# Altium PCB DMB.PcbDoc (continued)
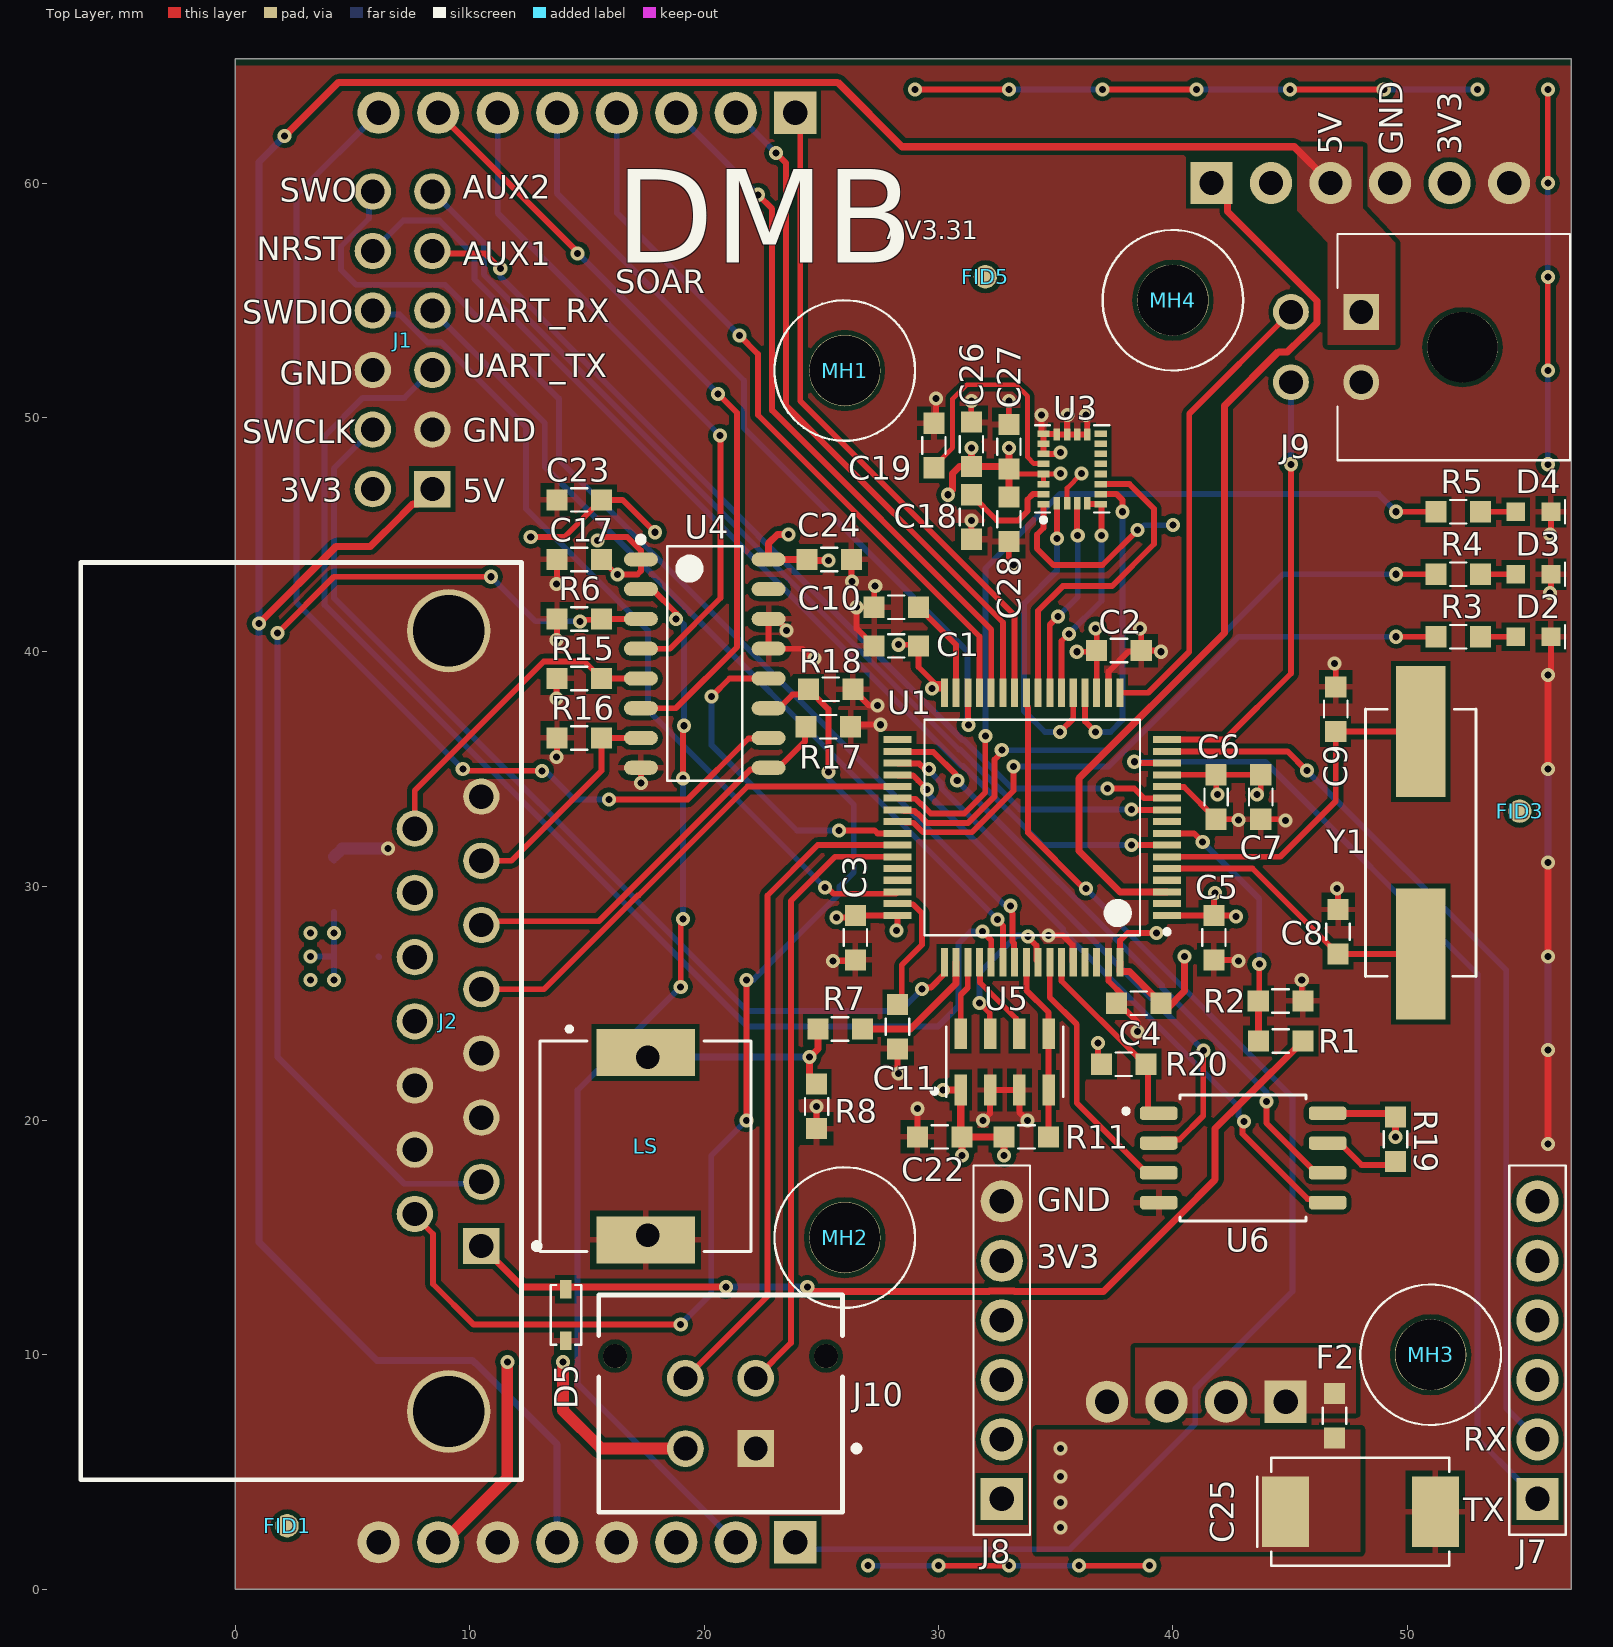
[diagram p0: Top Layer view]
## Components (designator, comment, footprint, x,y, rotation, side; value= is the part's Value field where it differs from the comment) (continued)
LS "CPT-9019S-SMT" CUI_CPT-9019S-SMT 17.5,18.9 r0 top
MH1 "Mounting Hole" MOUNT-HOLE 26,52 r0 top locked
MH2 "Mounting Hole" MOUNT-HOLE 26,15 r0 top locked
MH3 "Mounting Hole" MOUNT-HOLE 51,10 r0 top
MH4 "Mounting Hole" MOUNT-HOLE 40,55 r0 top locked
R1 "RC0603FR-0730KL" 0603[1608] 44.6,23.396 r0 top
R2 "ERJ-3GEYJ103V" 0603[1608] 44.596,25.1 r180 top
R3 "RC1608F331CS" 0603[1608] 52.184,40.64 r180 top
R4 "RC1608F331CS" 0603[1608] 52.184,43.307 r180 top
R5 "RC1608F331CS" 0603[1608] 52.184,45.974 r180 top
R6 "ERJ-3GEYJ103V" 0603[1608] 14.671,41.402 r0 top
R7 "RC1608F331CS" 0603[1608] 25.8,23.9 r180 top
R8 "RC1608F331CS" 0603[1608] 24.8,20.6 r270 top
R11 "ERJ-3GEYJ103V" 0603[1608] 33.75,19.3 r180 top
R15 "ERJ-3GEYJ103V" 0603[1608] 14.671,38.862 r0 top
R16 "ERJ-3GEYJ103V" 0603[1608] 14.671,36.322 r0 top
R17 "ERJ-3GEYJ103V" 0603[1608] 25.3,36.8 r180 top
R18 "ERJ-3GEYJ103V" 0603[1608] 25.4,38.4 r180 top
R19 "RT0603DRE076K49L" 0603[1608] 49.5,19.2 r90 top
R20 "RT0603DRE076K49L" 0603[1608] 37.9,22.4 r180 top
U1 "STM32F405RGT6" TSQFP50P1200X1200X160-64N 34,32.5 r180 top
U3 "LSM9DS1TR" LSM9DS1TR 35.7,47.8 r90 top
U4 "MC14504BDR2G" MC14504BDR2G 20.025,39.495 r0 top
U5 "MS560702BA03-50" MS560702BA03-50 32.825,22.5 r90 top
U6 "W25Q16JVSSIQ" W25Q16JVSSIQ 43,18.4 r0 top
Y1 "ABLS-8.000MHZ-B2-T" ABLS-8.000MHZ-B2-T 50.579,31.852 r270 top

## Footprints (in the part's own frame and the unit in brackets; to place one, negate y for a bottom-side part, rotate by r counter-clockwise, add the part's x,y. Pads: shape width x height; smd on the part's side, far side on the other; paste and mask are expansions set on the pad)
0603[1608] [mm]
  rect 0.9x0.9 smd mask+0.05: 1(-0.95,0) 2(0.95,0)
  silkscreen extent -0.35,-0.5 0.35,0.5, body extent -0.85,-0.45 0.85,0.45, height 0.55
43045-0427 [mm] "Checked Conn Header 4 POS 3mm Solder ST Thru-Hole 4 Terminal 1 Port Micro-Fit 3.0 Tray Headers and Wire Housings 0.735"
  rect 1.57x1.57 hole 1.02 paste-1000 mask+0: 1(1.5,-1.915)
  round 1.57 hole 1.02 paste-1000 mask+0: 2(-1.5,-1.915) 3(1.5,1.085) 4(-1.5,1.085)
  round 1.02 hole 1.02 unplated paste-1000 mask+0: ""(-4.5,2.025) ""(4.5,2.025)
  silkscreen extent -5.2,-4.63 5.93,4.63, body extent -5.3,-4.73 5.3,4.73, height 0.25
0430450400 [mm] "4-Pin Molex 3.00mm Pitch"
  round 3 hole 3 unplated mask+0.05: 0(0,-3.66)
  rect 1.53x1.53 hole 1.02 mask+0.05: 1(1.5,0.66)
  round 1.53 hole 1.02 mask+0.05: 2(-1.5,0.66) 3(1.5,3.66) 4(-1.5,3.66)
  silkscreen extent -4.82,-8.25 4.83,1.67, body extent -5.05,-8.25 5.1,3.99, height 8.83
ABLS-8.000MHZ-B2-T [mm] "CRYSTAL 8.0000MHZ 18PF SMD"
  rect 5.6x2.1 smd: 1(-4.75,0) 2(4.75,0)
  silkscreen extent -5.7,-2.35 5.7,2.35, body extent -6.35,-2.35 6.35,2.35, height 4.08
CDSOD323-T12C [mm] "TVS DIODE 12V 28.3V SOD323"
  rect 0.8x0.5 smd mask+0.05: 1(-1.1,0) 2(1.1,0)
  silkscreen extent -1.28,-0.65 1.28,0.65, body extent -1.27,-0.65 1.27,0.65, height 1
CUI_CPT-9019S-SMT [mm]
  rect 4.2x2 smd: 1(0,4) 2(0,-4)
  silkscreen extent -4.5,-4.5 4.5,5.1
FID_1MM_ROUND_SL [mm] "Fiducial 1MM Round Single Layer"
  round 1 smd mask+1: 0(0,0)
LSM9DS1TR [mm]
  rect 0.28x0.53 smd mask+0.05: 1(-1.505,1.22) 6(-1.505,-1.22) 7(-1.075,-1.22) 8(-0.645,-1.22) 9(-0.215,-1.22) 10(0.215,-1.22) 11(0.645,-1.22) 12(1.075,-1.22) 13(1.505,-1.22) 18(1.505,1.22) 19(1.075,1.22) 20(0.645,1.22) 21(0.215,1.22) 22(-0.215,1.22) 23(-0.645,1.22) 24(-1.075,1.22)
  rect 0.53x0.28 smd mask+0.05: 2(-1.47,0.645) 3(-1.47,0.215) 4(-1.47,-0.215) 5(-1.47,-0.645) 15(1.47,-0.215) 16(1.47,0.215) 17(1.47,0.645)
  rect 0.53x0.28 smd paste+0 mask+0.05: 14(1.47,-0.645)
  silkscreen extent -2.27,-1.58 1.86,1.58, body extent -1.82,-1.57 1.83,1.58, height 1.03
LTST-C191KGKT [mm] "Green 571nm LED Indication - Discrete 2V 0603"
  rect 0.8x0.8 smd paste-3 mask+0.05: 1(-0.75,0) 2(0.75,0)
  silkscreen extent -1.35,-0.5 -1.35,0.5, body extent -0.8,-0.4 0.8,0.4, height 0.8
MC14504BDR2G [mm] "SOIC, 16-Leads, Body 9.90x3.90mm, Pitch 1.27mm, IPC Medium Density"
  oval 1.45x0.6 smd: 1(-2.725,4.445) 2(-2.725,3.175) 3(-2.725,1.905) 4(-2.725,0.635) 5(-2.725,-0.635) 6(-2.725,-1.905) 7(-2.725,-3.175) 8(-2.725,-4.445) 9(2.725,-4.445) 10(2.725,-3.175) 11(2.725,-1.905) 12(2.725,-0.635) 13(2.725,0.635) 14(2.725,1.905) 15(2.725,3.175) 16(2.725,4.445)
  silkscreen extent -2.85,-5 1.6,5.42, body extent -3,-5 3,5, height 1.75
MOUNT-HOLE [mil] "#4, 0.116in"
  round 120 hole 118 unplated mask+1.97: 0(0,0)
  silkscreen extent -118,-118 118,118
MS560702BA03-50 [mm]
  rect 1.31x0.53 smd mask+0.05: 1(-1.2,1.875) 2(-1.2,0.625) 3(-1.2,-0.625) 4(-1.2,-1.875) 5(1.2,-1.875) 6(1.2,-0.625) 7(1.2,0.625) 8(1.2,1.875)
  silkscreen extent -1.5,-2.5 1.5,3.1, body extent -1.5,-2.5 1.5,2.5, height 1
SF-0603FP500M-2 [mm] "FUSE BOARD MOUNT 5A 32VDC 0603"
  rect 0.9x0.9 smd mask+0.05: 1(-0.95,0) 2(0.95,0)
  silkscreen extent -0.35,-0.5 0.35,0.5, body extent -0.8,-0.45 0.8,0.45, height 0.9
SMTC-TSW-106-07-X-D [mm] ".025 SQ Post Terminal Strip Assembly, 2x6 Pins, Vertical, 2.54mm Pitch, Male"
  rect 1.55x1.55 hole 1.02: 1(0,0)
  round 1.55 hole 1.02: 2(0,2.54) 3(2.54,0) 4(2.54,2.54) 5(5.08,0) 6(5.08,2.54) 7(7.62,0) 8(7.62,2.54) 9(10.16,0) 10(10.16,2.54) 11(12.7,0) 12(12.7,2.54)
  body extent -1.27,-1.27 13.97,3.81, height 8.38
SSW-104-01-F-S [mm] "CONN RCPT 4POS 0.1 GOLD PCB"
  rect 1.8x1.8 hole 1.04 mask+0.05: 1(-3.81,0)
  round 1.8 hole 1.04 mask+0.05: 2(-1.27,0) 3(1.27,0) 4(3.81,0)
  silkscreen extent -5.33,-1.21 5.33,1.21, body extent -5.33,-1.21 5.33,1.21, height 8.56
SSW-106-01-F-S [mm] "CONN RCPT 6POS 0.1 GOLD PCB"
  rect 1.8x1.8 hole 1.04 mask+0.05: 1(-6.35,0)
  round 1.8 hole 1.04 mask+0.05: 2(-3.81,0) 3(-1.27,0) 4(1.27,0) 5(3.81,0) 6(6.35,0)
  silkscreen extent -7.87,-1.21 7.87,1.21, body extent -7.87,-1.21 7.87,1.21, height 8.56
SSW-108-01-F-S [mm] "CONN RCPT 8POS 0.1 GOLD PCB"
  rect 1.8x1.8 hole 1.04 mask+0.05: 1(-8.89,0)
  round 1.8 hole 1.04 mask+0.05: 2(-6.35,0) 3(-3.81,0) 4(-1.27,0) 5(1.27,0) 6(3.81,0) 7(6.35,0) 8(8.89,0)
  silkscreen extent -10.41,-1.21 10.41,1.21, body extent -10.41,-1.21 10.41,1.21, height 8.56
TAJD157K016RNJ [mm] "Tantalum Cap"
  rect 2x3 smd mask+0.05: 1(-3.2,0) 2(3.2,0)
  silkscreen extent -4.4,-2.3 3.8,2.3, body extent -3.75,-2.25 3.75,2.25, height 3.15
TECO-5745782-4_V [mm] "THD, 15-Leads, Body 39.14x18.8mm, Pitch 2.74mm"
  rect 1.55x1.55 hole 1.04: 1(9.6,1.42)
  round 1.55 hole 1.04: 2(6.86,1.42) 3(4.12,1.42) 4(1.38,1.42) 5(-1.36,1.42) 6(-4.1,1.42) 7(-6.84,1.42) 8(-9.58,1.42) 9(8.23,-1.42) 10(5.49,-1.42) 11(2.75,-1.42) 12(0.01,-1.42) 13(-2.73,-1.42) 14(-5.47,-1.42) 15(-8.21,-1.42)
  round 3.55 hole 3.05: MH1(16.66,0.028) MH2(-16.66,0.028)
  silkscreen extent -19.57,-15.67 19.57,3.91, body extent -19.68,-15.74 19.69,3.2, height 12.55
TSQFP50P1200X1200X160-64N [mm] "TSQFP, 64-Leads, Body 10.00x10.00mm, Pitch 0.50mm, IPC Medium Density"
  rect 1.2x0.3 smd mask+0.05: 1(-5.75,3.75) 2(-5.75,3.25) 3(-5.75,2.75) 4(-5.75,2.25) 5(-5.75,1.75) 6(-5.75,1.25) 7(-5.75,0.75) 8(-5.75,0.25) 9(-5.75,-0.25) 10(-5.75,-0.75) 11(-5.75,-1.25) 12(-5.75,-1.75) 13(-5.75,-2.25) 14(-5.75,-2.75) 15(-5.75,-3.25) 16(-5.75,-3.75) 33(5.75,-3.75) 34(5.75,-3.25) 35(5.75,-2.75) 36(5.75,-2.25) 37(5.75,-1.75) 38(5.75,-1.25) 39(5.75,-0.75) 40(5.75,-0.25) 41(5.75,0.25) 42(5.75,0.75) 43(5.75,1.25) 44(5.75,1.75) 45(5.75,2.25) 46(5.75,2.75) 47(5.75,3.25) 48(5.75,3.75)
  rect 0.3x1.2 smd mask+0.05: 17(-3.75,-5.75) 18(-3.25,-5.75) 19(-2.75,-5.75) 20(-2.25,-5.75) 21(-1.75,-5.75) 22(-1.25,-5.75) 23(-0.75,-5.75) 24(-0.25,-5.75) 25(0.25,-5.75) 26(0.75,-5.75) 27(1.25,-5.75) 28(1.75,-5.75) 29(2.25,-5.75) 30(2.75,-5.75) 31(3.25,-5.75) 32(3.75,-5.75) 49(3.75,5.75) 50(3.25,5.75) 51(2.75,5.75) 52(2.25,5.75) 53(1.75,5.75) 54(1.25,5.75) 55(0.75,5.75) 56(0.25,5.75) 57(-0.25,5.75) 58(-0.75,5.75) 59(-1.25,5.75) 60(-1.75,5.75) 61(-2.25,5.75) 62(-2.75,5.75) 63(-3.25,5.75) 64(-3.75,5.75)
  silkscreen extent -5.85,-4.6 4.6,4.6, body extent -6,-6 6,6, height 1.6
W25Q16JVSSIQ [mm]
  rrect50% 1.61x0.58 smd: 1(-3.605,1.905) 2(-3.605,0.635) 3(-3.605,-0.635) 4(-3.605,-1.905) 5(3.605,-1.905) 6(3.605,-0.635) 7(3.605,0.635) 8(3.605,1.905)
  silkscreen extent -5.1,-2.69 2.69,2.69

## Part data
C1 C17 C26: "CAP CER 10UF 10V X5R 0603", Capacitance=10µF, Manufacturer="Samsung Electro-Mechanics", Operating Temperature="-55°C ~ 85°C", Package / Case="0603 (1608 Metric)", Supplier Part Number 1=1276-1871-1-ND, Temperature Coefficient=X5R, Tolerance=±20%, Voltage - Rated=10V, ComponentLink1Description=Datasheet, ComponentLink1URL=https://static6.arrow.com/aropdfconversion/f91a1722e2705c3d73cfb1979021b64ae4055093/19-cl10a106mp8nnnc.pdf, Manufacturer Part Number=CL10A106MP8NNNC, Mounting Type="Surface Mount, MLCC", Size / Dimension="0.063\" L x 0.031\" W (1.60mm x 0.80mm)", Supplier 1=Digi-Key, Thickness (Max)="0.035\" (0.90mm)"
C2 C3 C4 C5 C18 C22 C23 C24 C27 C28: "CAP CER 0.1UF 25V X7R 0603", Capacitance=0.1µF, Manufacturer="TDK Corporation", Operating Temperature="-55°C ~ 125°C", Package / Case="0603 (1608 Metric)", Supplier Part Number 1=445-5667-1-ND, Temperature Coefficient=X7R, Tolerance=±10%, Voltage - Rated=25V, ComponentLink1Description=Datasheet, ComponentLink1URL=https://product.tdk.com/info/en/catalog/spec/mlccspec_automotive_general_en.pdf, Manufacturer Part Number=CGA3E2X7R1E104K080AA, Mounting Type="Surface Mount, MLCC", Size / Dimension="0.063\" L x 0.031\" W (1.60mm x 0.80mm)", Supplier 1=Digi-Key, Thickness (Max)="0.035\" (0.90mm)"
C6: "CAP CER 1UF 10V X5R 0603", Capacitance=1uF, Manufacturer="Samsung Electro-Mechanics", Operating Temperature="-55°C ~ 85°C", Package / Case="0603 (1608 Metric)", Supplier Part Number 1=1276-1182-1-ND, Temperature Coefficient=X5R, Tolerance=±10%, Voltage - Rated=10V, ComponentLink1Description=Datasheet, ComponentLink1URL=http://www.samsungsem.com/kr/support/product-search/mlcc/__icsFiles/afieldfile/2019/05/10/19-CL10A105KP8NNNC.pdf, Manufacturer Part Number=CL10A105KP8NNNC, Mounting Type="Surface Mount, MLCC", Size / Dimension="0.063\" L x 0.031\" W (1.60mm x 0.80mm)", Supplier 1=Digi-Key, Thickness (Max)="0.035\" (0.90mm)"
C7: "CAP CER 10000PF 50V X7R 0603", Capacitance=10000pF, Manufacturer="TDK Corporation", Operating Temperature="-55°C ~ 125°C", Package / Case="0603 (1608 Metric)", Supplier Part Number 1=445-5662-1-ND, Temperature Coefficient=X7R, Tolerance=±10%, Voltage - Rated=50V, ComponentLink1Description=Datasheet, ComponentLink1URL=https://product.tdk.com/info/en/catalog/spec/mlccspec_automotive_general_en.pdf, Manufacturer Part Number=CGA3E2X7R1H103K080AA, Mounting Type="Surface Mount, MLCC", Size / Dimension="0.063\" L x 0.031\" W (1.60mm x 0.80mm)", Supplier 1=Digi-Key, Thickness (Max)="0.035\" (0.90mm)"
C8 C9: "CAP CER 24PF 50V NP0 0603", Capacitance=24pF, Manufacturer="AVX Corporation", Operating Temperature="-55°C ~ 125°C", Package / Case="0603 (1608 Metric)", Supplier Part Number 1=478-10304-1-ND, Temperature Coefficient="C0G, NP0", Tolerance=±5%, Voltage - Rated=50V, ComponentLink1Description=Datasheet, ComponentLink1URL=http://datasheets.avx.com/C0GNP0-Dielectric.pdf, Manufacturer Part Number=06035A240JAT2A, Mounting Type="Surface Mount, MLCC", Size / Dimension="0.063\" L x 0.032\" W (1.60mm x 0.81mm)", Supplier 1=Digi-Key, Thickness (Max)="0.035\" (0.90mm)"
C10 C11: "CAP CER 2.2UF 16V X5R 0603", Capacitance=2.2uF, Manufacturer="TDK Corporation", Operating Temperature="-55°C ~ 85°C", Package / Case="0603 (1608 Metric)", Supplier Part Number 1=445-5157-1-ND, Temperature Coefficient=X5R, Tolerance=±10%, Voltage - Rated=16V, ComponentLink1Description=Datasheet, ComponentLink1URL=https://product.tdk.com/info/en/catalog/spec/mlccspec_commercial_general_midvoltage_en.pdf, Manufacturer Part Number=C1608X5R1C225K080AB, Mounting Type="Surface Mount, MLCC", Size / Dimension="0.063\" L x 0.031\" W (1.60mm x 0.80mm)", Supplier 1=Digi-Key, Thickness (Max)="0.035\" (0.90mm)"
C19: "CAP CER 10000PF 50V C0G/NP0 0603", Capacitance=10nF, Manufacturer="Murata Electronics", Operating Temperature="-55°C ~ 125°C", Package / Case="0603 (1608 Metric)", Supplier Part Number 1=490-9666-1-ND, Temperature Coefficient="C0G, NP0", Tolerance=±50%, Voltage - Rated=50V, ComponentLink1Description=Datasheet, ComponentLink1URL=https://www.murata.com/~/media/webrenewal/support/library/catalog/products/capacitor/mlcc/c02e.ashx?la=en-us, Manufacturer Part Number=GRM1885C1H103JA01D, Mounting Type="Surface Mount, MLCC", Size / Dimension="0.063\" L x 0.031\" W (1.60mm x 0.80mm)", Supplier 1=Digi-Key, Thickness (Max)="0.035\" (0.90mm)"
C25: "CAP TANT 150UF 10% 16V 2917", Capacitance=150µF, Manufacturer="AVX Corporation", Manufacturer Size Code=D, Operating Temperature="-55°C ~ 125°C", Package / Case="2917 (7343 Metric)", Supplier Part Number 1=478-2356-1-ND, Tolerance=±10%, Voltage - Rated=16V, ComponentLink1Description=Datasheet, ComponentLink1URL=http://datasheets.avx.com/TAJ.pdf, ESR=900mOhm, Height - Seated (Max)="0.122\" (3.10mm)", Manufacturer Part Number=TAJD157K016RNJ, Mounting Type="Surface Mount", Size / Dimension="0.287\" L x 0.169\" W (7.30mm x 4.30mm)", Supplier 1=Digi-Key, Type=Molded
D1 D5: "TVS DIODE 12V 28.3V SOD323", Capacitance @ Frequency="3pF @ 1MHz", Current - Peak Pulse (10/1000µs)="11A (8/20µs)", Manufacturer="Bourns Inc.", Operating Temperature="-55°C ~ 150°C (TJ)", Package / Case="SC-76, SOD-323", Power - Peak Pulse=350W, Power Line Protection=No, Supplier Part Number 1=CDSOD323-T12CCT-ND, Voltage - Breakdown (Min)=13.3V, Voltage - Clamping (Max) @ Ipp="28.3V (Typ)", Voltage - Reverse Standoff (Typ)=12V, Bidirectional Channels=1, ComponentLink1Description=Datasheet, ComponentLink1URL=https://www.bourns.com/docs/Product-Datasheets/CDSOD323-TxxC.PDF, Manufacturer Part Number=CDSOD323-T12C, Mounting Type="Surface Mount", Supplier 1=Digi-Key, Type=Zener
D2 D3 D4: "LED GREEN CLEAR SMD 0603", Colour=Green, Current - Test=20mA, Lens Color=Colourless, Manufacturer="Lite-On Inc.", Millicandela Rating=35mcd, Package / Case="0603 (1608 Metric)", Supplier Part Number 1=160-1446-1-ND, Voltage - Forward (Vf) (Typ)=2V, ComponentLink1Description=Datasheet, ComponentLink1URL=http://optoelectronics.liteon.com/upload/download/DS22-2000-228/LTST-C191KGKT.PDF, Height (Max)=0.65mm, Lens Size="1.10mm x 0.80mm", Lens Style="Rectangle with Flat Top", Lens Transparency=Clear, Manufacturer Part Number=LTST-C191KGKT, Mounting Type="Surface Mount", Size / Dimension="1.60mm L x 0.80mm W", Supplier 1=Digi-Key, Viewing Angle=130°, Wavelength - Dominant=571nm, Wavelength - Peak=574nm
F1 F2: "FUSE BOARD MOUNT 5A 32VDC 0603", Breaking Capacity @ Rated Voltage=35A, Current Rating (Amps)=5A, DC Cold Resistance="0.015 Ohms", Manufacturer="Bourns Inc.", Operating Temperature="-55°C ~ 150°C", Package / Case="0603 (1608 Metric)", Supplier Part Number 1=SF-0603FP500M-2CT-ND, Voltage Rating - DC=32V, Approval Agency=UL, ComponentLink1Description=Datasheet, ComponentLink1URL=https://www.bourns.com/docs/Product-Datasheets/SF-0603FPxxxM.pdf, Fuse Type="Board Mount (Cartridge Style Excluded)", Manufacturer Part Number=SF-0603FP500M-2, Melting I²t=2.62, Mounting Type="Surface Mount", Response Time="Fast Blow", Size / Dimension="0.063\" L x 0.031\" W x 0.012\" H (1.60mm x 0.80mm x 0.18mm)", Supplier 1=Digi-Key
FID1 FID2 FID3 FID4 FID5 FID6: "Fiducial 1mm Round Single Layer"
J1: library part CMP-1024-00379-1, "0.025\" SQ Post Header, Through-hole, Vertical, -55 to 125 degC, 2.54 mm Pitch, 12-Pin, Male, RoHS", Manufacturer=Samtec, Temperature Range="-55 to 125 degC", ComponentLink1Description="Manufacturer URL", ComponentLink1URL=http://www.samtec.com, ComponentLink2Description=Datasheet, ComponentLink2URL=http://www.samtec.com/documents/webfiles/pdf/TSW_TH.PDF, ComponentLink3Description="Package Specification", ComponentLink3URL=http://www.samtec.com/documents/webfiles/cpdf/TSW-XXX-XX-XXX-X-XX-XXX-MKT.pdf, DatasheetVersion=F-214, Mounting Technology=Through-hole, Orientation=Vertical, PackageDescription=".025[0.64] SQ. Post Terminal Strip Assembly", PackageReference=TSW-106-07-X-D, PackageVersion="DM, 8/1988", PartNumber=TSW-106-07-G-D, Pitch="2.54 mm", RoHS=True
J2: library part CMP-2000-05646-1, "Female D-Sub Connector, Pitch 2.74 mm, 2 Row, 15 Position, Height 12.93 mm, Tail Length 3.18 mm, -55 to 105 degC, RoHS, Tray", Color=Black, Current Rating=6A, Manufacturer="TE Connectivity", Operating Temperature=-55°C~105°C, Package Description="Female D-Sub Connector, Pitch 2.74 mm, 2 Row, 15 Position, Height 12.93 mm, Tail Length 3.18 mm", Standard Package=104, Voltage Rating=125V, 3D Model=5745782-4.pdf, Catalog Drawings=AMPD-SubMale.318, Category=Connectors,Interconnects, Connector Style=D-Sub, Connector Type=Receptacle,FemaleSockets, Contact Finish=Gold, Contact Finish Thickness=30µin(0.76µm), Contact Type=Signal, Datasheet URL=http://www.te.com/commerce/DocumentDelivery/DDEController?Action=srchrtrv&DocNm=5745782&DocType=Customer+Drawing&DocLang=English, Datasheet Version="Rev. R, 08/2011", Dynamic Catalog=AMPLIMITEHD-20Series, Family=D-SubConnectors, Featured Product=AMPLIMITED-SubminiatureConnectors, Features=GroundStrap, Flange Feature=Housing/Shell(4-40), Housing Material=Thermoplastic, Manufacturer URL=http://www.te.com/, Mating Products="1-745494-8-ND / -CONNPLUG15POS26-22AWGGOLD/FL / A34118-ND / -CONND-SUBPLUG15P22-26AWGAU / A32503-ND / -CONNDSUBPLUG15POSSLDCUP / AMR15B-ND / -CONND-SUBPLUG15POSGOLD / AML15B-ND / -CONND-SUBPLUG15POSGOLD / A31968-ND / -CONND-SUBPLUG15P22-26AWGAU / A31967-ND / -CONND-SUBPLUG15P26-30AWGAU", Mounting Technology=ThroughHole, Mounting Type=ThroughHole,RightAngle, Number of Positions=15, Number of Rows=2, Other Names=A32076, Package Reference=5745782-4, Product Training Modules=AMPLIMITED-SubConnectors, RoHS Information=5745782-4StatementofCompliance, Series=AMPLIMITEHD-20, Shell Material, Finish=Steel,TinPlated, Shell Size, Connector Layout=2(DA,A), Termination=Solder
J3: "CONN RCPT 4POS FEMALE 0.1 GOLD PCB", Current Rating (Amps)="5.7A per Contact", Insulation Color=Black, Manufacturer="Samtec Inc.", Material Flammability Rating="UL94 V-0", Operating Temperature="-55°C ~ 125°C", Supplier Part Number 1=SAM10018-ND, ComponentLink1Description=Drawing, ComponentLink1URL=http://suddendocs.samtec.com/prints/ssw-1xx-xx-xxx-x-xx-xxx-xx-mkt.pdf, ComponentLink2Description=Datasheet, ComponentLink2URL=http://suddendocs.samtec.com/catalog_english/ssw_th.pdf, Connector Type=Receptacle, Contact Finish - Mating=Gold, Contact Finish - Post=Tin, Contact Finish Thickness - Mating="3.00µin (0.076µm)", Contact Length - Post="0.104\" (2.64mm)", Contact Material="Phosphor Bronze", Contact Shape=Square, Contact Type=Forked, Fastening Type=Push-Pull, Insulation Height="0.335\" (8.51mm)", Insulation Material="Liquid Crystal Polymer (LCP)", Manufacturer Part Number=SSW-104-01-F-S, Mounting Type="Through Hole", Number of Positions=4, Number of Rows=1, Pitch - Mating="0.100\" (2.54mm)", Style="Board to Board or Cable", Supplier 1=Digi-Key, Termination=Solder
J4 J7 J8: "CONN RCPT 6POS FEMALE 0.1 GOLD PCB", Current Rating (Amps)="5.7A per Contact", Insulation Color=Black, Manufacturer="Samtec Inc.", Material Flammability Rating="UL94 V-0", Operating Temperature="-55°C ~ 125°C", Supplier Part Number 1=SAM10025-ND, ComponentLink1Description=Drawing, ComponentLink1URL=http://suddendocs.samtec.com/prints/ssw-1xx-xx-xxx-x-xx-xxx-xx-mkt.pdf, ComponentLink2Description=Datasheet, ComponentLink2URL=http://suddendocs.samtec.com/catalog_english/ssw_th.pdf, Connector Type=Receptacle, Contact Finish - Mating=Gold, Contact Finish - Post=Tin, Contact Finish Thickness - Mating="3.00µin (0.076µm)", Contact Length - Post="0.104\" (2.64mm)", Contact Material="Phosphor Bronze", Contact Shape=Square, Contact Type=Forked, Fastening Type=Push-Pull, Insulation Height="0.335\" (8.51mm)", Insulation Material="Liquid Crystal Polymer (LCP)", Manufacturer Part Number=SSW-106-01-F-S, Mounting Type="Through Hole", Number of Positions=6, Number of Rows=1, Pitch - Mating="0.100\" (2.54mm)", Style="Board to Board or Cable", Supplier 1=Digi-Key, Termination=Solder
J5 J6: "CONN RCPT 8POS FEMALE 0.1 GOLD PCB", Current Rating (Amps)="5.7A per Contact", Insulation Color=Black, Manufacturer="Samtec Inc.", Material Flammability Rating="UL94 V-0", Operating Temperature="-55°C ~ 125°C", Supplier Part Number 1=SAM11943-ND, ComponentLink1Description=Drawing, ComponentLink1URL=http://suddendocs.samtec.com/prints/ssw-1xx-xx-xxx-x-xx-xxx-xx-mkt.pdf, ComponentLink2Description=Datasheet, ComponentLink2URL=http://suddendocs.samtec.com/catalog_english/ssw_th.pdf, Connector Type=Receptacle, Contact Finish - Mating=Gold, Contact Finish - Post=Tin, Contact Finish Thickness - Mating="3.00µin (0.076µm)", Contact Length - Post="0.104\" (2.64mm)", Contact Material="Phosphor Bronze", Contact Shape=Square, Contact Type=Forked, Fastening Type=Push-Pull, Insulation Height="0.335\" (8.51mm)", Insulation Material="Liquid Crystal Polymer (LCP)", Manufacturer Part Number=SSW-108-01-F-S, Mounting Type="Through Hole", Number of Positions=8, Number of Rows=1, Pitch - Mating="0.100\" (2.54mm)", Style="Board to Board or Cable", Supplier 1=Digi-Key, Termination=Solder
J9: "CONN HEADER R/A 4POS 3MM", Current Rating (Amps)=8A, Insulation Color=Black, Manufacturer=Molex, Material Flammability Rating="UL94 V-0", Supplier Part Number 1=WM1814-ND, Voltage Rating=600V, ComponentLink1Description=Datasheet, ComponentLink1URL=https://www.molex.com/pdm_docs/sd/430450400_sd.pdf, ComponentLink2Description="Product Specification", ComponentLink2URL=https://www.molex.com/pdm_docs/ps/PS-43045.pdf, Contact Finish - Mating=Tin, Contact Finish - Post=Tin, Contact Finish Thickness - Mating="100.0µin (2.54µm)", Contact Length - Post="0.125\" (3.18mm)", Contact Material=Brass, Contact Shape=Square, Contact Type="0.118\" (3.00mm)", Fastening Type="Locking Ramp", Features="Board Lock", Insulation Height="0.290\" (7.37mm)", Insulation Material="Liquid Crystal Polymer (LCP), Glass Filled", Manufacturer Part Number=0430450400, Mounting Type="Through Hole, Right Angle", Number of Positions=4, Number of Rows=2, Row Spacing - Mating="0.118\" (3.00mm)", Shrouding="Shrouded - 4 Wall", Supplier 1=Digi-Key, Termination=Solder